# KiCad board OpenEFI_rev4.kicad_pcb (continued)
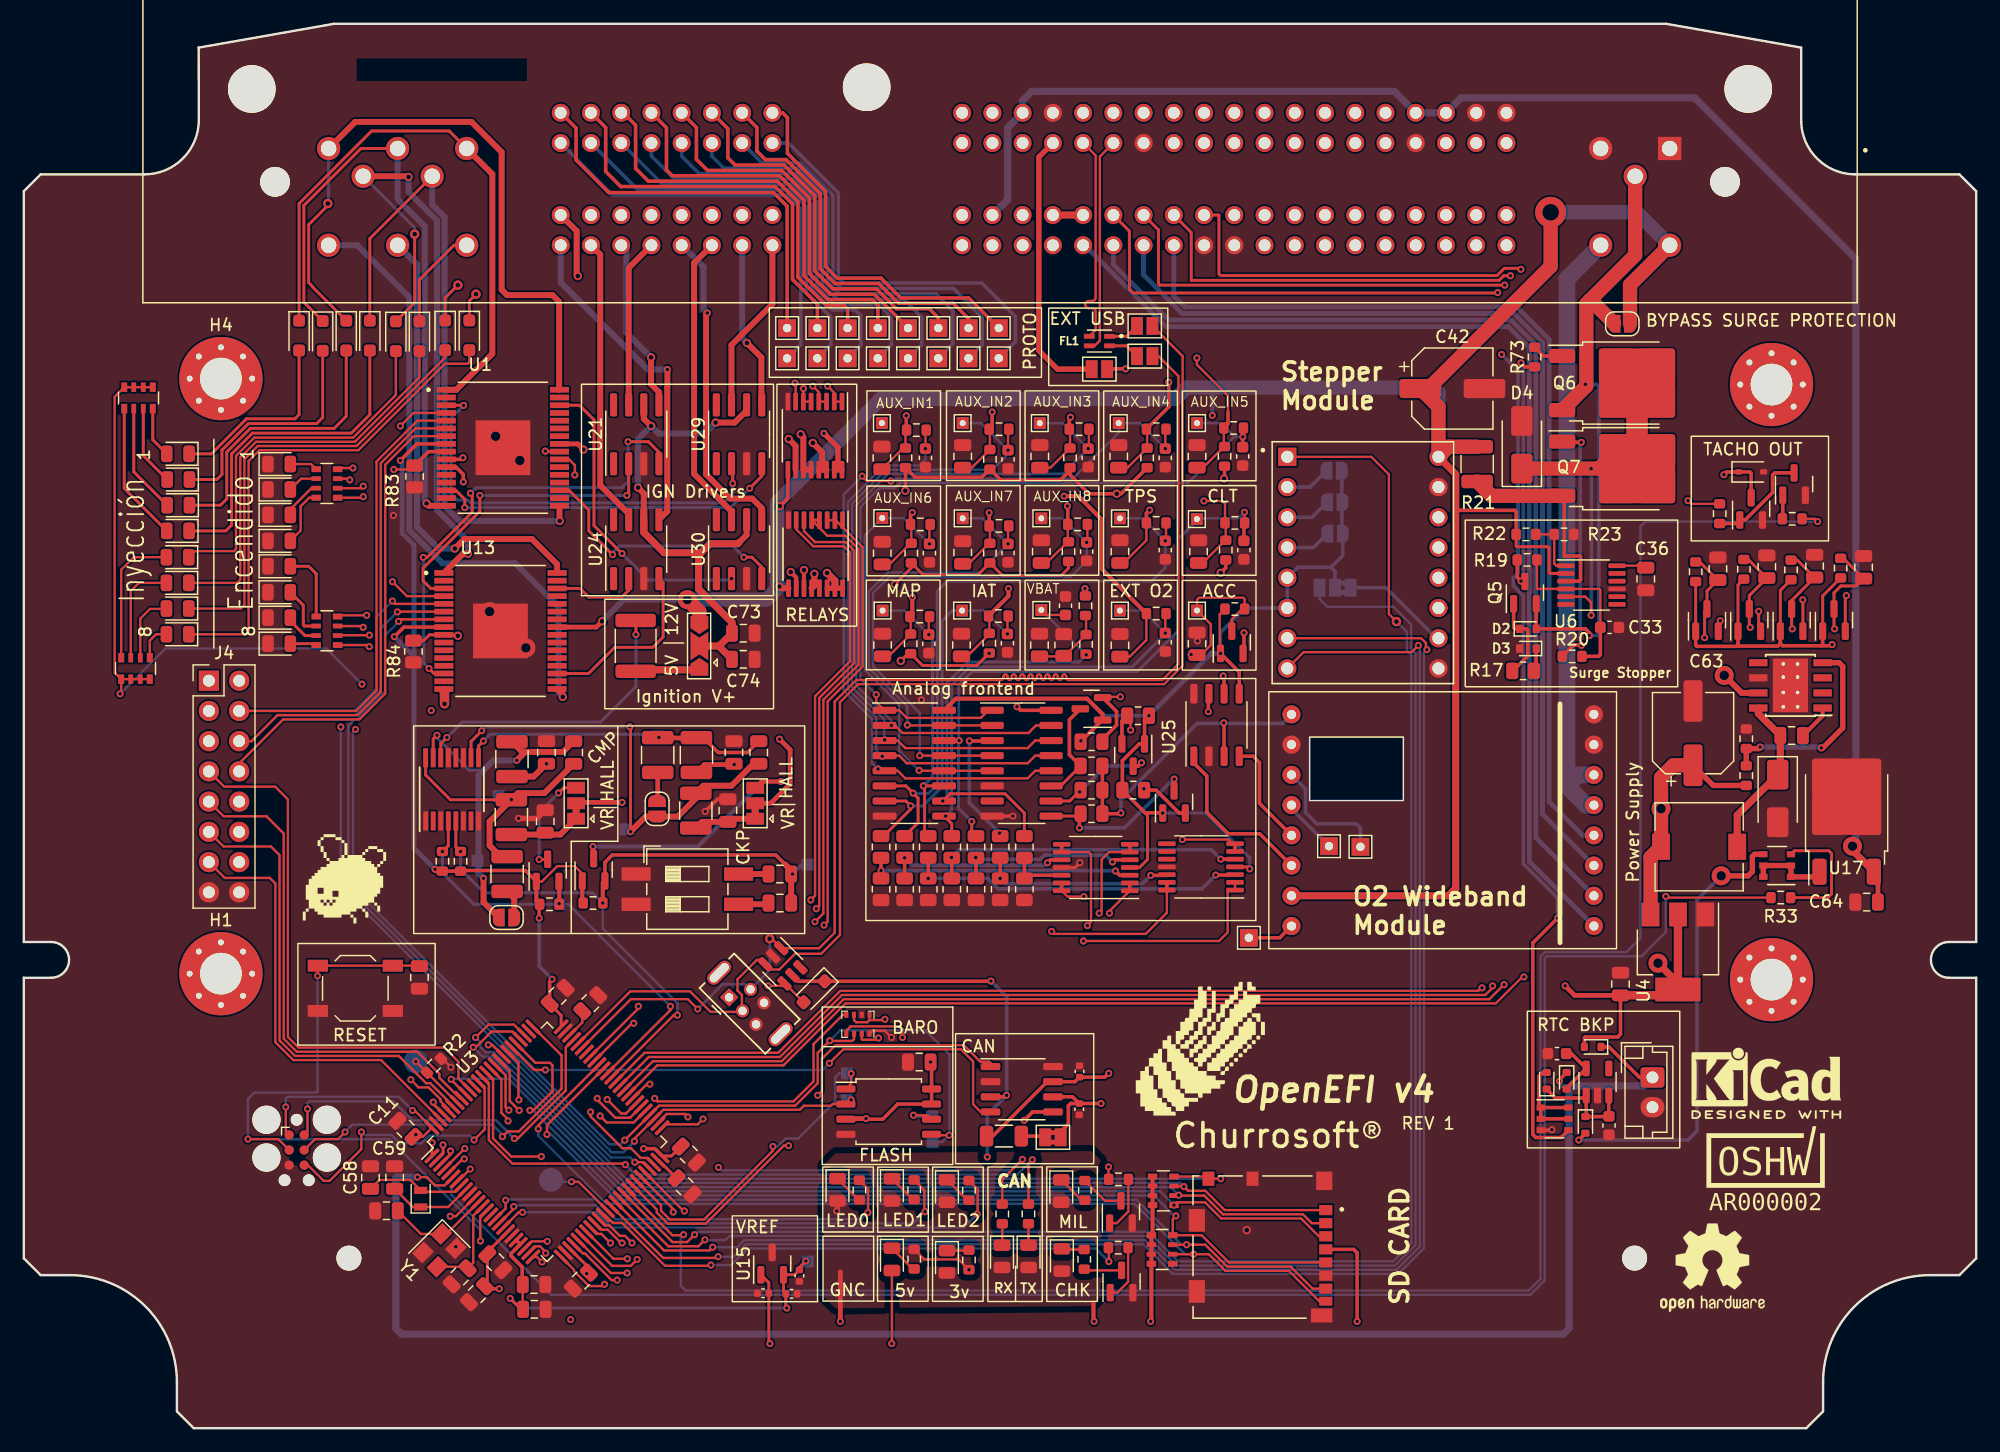
[diagram p0: board, top side]
## Routing (per net, layer and track width the routed paths; a pad name or vN(x,y) marks a point on that pad's centre or on a via; arc(x,y) is an arc through that point) (continued)
  In1.Cu w0.2: v1(66.1,44.38) 66.68,44.38 67.13,43.94 82.57,43.94 86.56,39.95 86.56,22.22 86.95,21.82 90.99,21.82 v1(91.12,21.95)
  In1.Cu w0.25: v1(51.23,34.03) 50.91,34.35 50.91,37.75 57.54,44.38 v1(66.1,44.38)
/MTR_DIR: length 133.8
  Top w0.2: v1(117.14,65.77) 116.58,65.21 107.5,65.21 U23.8 ; U3.39 53.78,14.94 57.6,14.94 v1(57.87,15.21)
  Bottom w0.2: v1(117.14,65.77) 117.26,65.64 117.26,15.26 115.31,13.31 96.68,13.31 94.19,15.8 60.51,15.8 59.92,15.21 v1(57.87,15.21)
/MTR_ENABLE: length 144.3
  Top w0.2: U3.41 54.49,15.64 55.72,15.64 56.34,16.26 v1(56.35,16.26) ; v4(115.3,67.77) 114.66,68.41 114.66,80.14 113.19,81.62 U23.1
  Bottom w0.2: v4(115.3,67.77) 116.18,66.89 116.18,65.31 116.56,64.94 116.56,15.56 115.02,14.02 96.97,14.02 94.48,16.51 56.59,16.51 v1(56.35,16.26)
/MTR_FAULT: length 132.4
  Top w0.2: v1(57.21,15.83) 56.67,15.29 54.14,15.29 U3.40
  Bottom w0.2: JP5.3 108.84,69.67 109.49,69.02 115.05,69.02 116.54,67.53 116.54,65.47 116.91,65.1 116.91,15.41 115.16,13.67 96.82,13.67 94.34,16.15 59.28,16.15 58.93,15.81 57.23,15.81 v1(57.21,15.83)
/MTR_STEP: length 135.3
  Top w0.2: U23.7 117.37,66.38 117.78,65.97 117.78,65.41 v1(117.86,65.41) ; U3.38 53.7,14.31 58.23,14.31 v1(58.33,14.41)
  Bottom w0.2: v1(117.86,65.41) 117.61,65.16 117.61,15.12 115.45,12.96 96.53,12.96 94.04,15.45 60.66,15.45 59.62,14.41 v1(58.33,14.41)
/MUX_A: length 98.4
  Top w0.2: Q16.2 90.68,61.45 v1(92.11,61.45) ; v1(41.61,26.7) 40.82,27.49 40.82,30.02 U3.84
  Top w0.3: Q16.2 91.79,60.23 91.79,59.07 90.6,57.88 R49.1
  In2.Cu w0.2: v1(41.61,26.7) 41.61,25.7 43.3,24 47.98,24 49.36,25.38 68.01,25.38 68.32,25.69 68.32,59.09 69.2,59.98 90.64,59.98 v1(92.11,61.45)
/MUX_B: length 96.9
  Top w0.2: U3.85 40.47,29.66 40.47,26.99 v1(40.74,26.72) ; v1(92.97,58.65) 92.97,59.57 R51.1
  Top w0.3: R51.1 92.24,59.42 Q14.2
  In2.Cu w0.2: v1(40.74,26.72) 41.01,26.45 41.27,26.19 41.27,25.62 43.18,23.71 48.1,23.71 49.48,25.09 68.12,25.09 68.61,25.57 68.61,58.98 69.32,59.69 91.94,59.69 v1(92.97,58.65)
/MUX_C: length 93.6
  Top w0.2: U3.86 40.12,29.31 40.12,26.5 40.67,25.94 v1(40.67,25.81)
  Top w0.3: Q15.2 97.05,51.68 95.12,53.61 R53.1
  In2.Cu w0.2: v1(94.09,53.73) 93.25,54.57 69.58,54.57 68.9,53.88 68.9,25.45 68.24,24.8 49.65,24.8 48.27,23.42 43.06,23.42 v1(40.67,25.81)
/MUX_OUT: length 83.1
  Top w0.2: U3.32 49.53,14.24 v1(50.7,14.24) ; v1(86.34,41.74) 86.55,41.53 94.24,41.53 96.02,43.31 U10.14
  Top w0.3: U10.13 U10.14
  In2.Cu w0.2: v1(86.34,41.74) 86.19,41.59 86.19,12.58 86.04,12.43 52.23,12.43 50.7,13.96 v1(50.7,14.24)
/NRST: length 58.8
  Top w0.2: v1(38.35,15.73) 38.34,15.74 38.34,17.74 U3.14 ; v1(18.83,24.29) 21.37,24.29 J2.3 ; v1(24.67,38) 24.7,38.03 SW1.1 SW1.1 33.2,38.86 C9.2
  Bottom w0.2: v1(38.35,15.73) 38.35,16.66 30.73,24.29 v1(18.83,24.29) 18.83,27.67 19.36,28.2 24.57,28.2 24.67,28.3 v1(24.67,38)
/PA0: length 88.6
  Top w0.2: v1(89.33,42.23) 89.65,42.54 89.65,48.21 89.45,48.41 U9.9 ; U3.23 42.67,15.7 v1(43.98,15.7)
  Top w0.3: U9.8 U9.9
  In2.Cu w0.2: v1(89.33,42.23) 88.89,42.23 87.34,40.68 87.34,12.08 86.54,11.27 47.75,11.27 44.44,14.58 44.44,15.24 v1(43.98,15.7)
/PA1: length 84.2
  Top w0.2: U3.24 42.95,15.28 43.36,15.28 43.84,14.8 v1(43.84,14.71) ; v1(91.2,43.27) 91.2,43.45 U9.1
  Top w0.3: U9.2 U9.1
  In2.Cu w0.2: v1(91.2,43.27) 91.2,43.24 89.58,41.63 88.7,41.63 87.63,40.56 87.63,11.96 86.66,10.98 47.63,10.98 43.9,14.71 v1(43.84,14.71)
/PA2: length 94.3
  Top w0.2: U3.25 43.11,14.39 v1(43.53,13.96) ; v1(89.01,40.94) 100.4,40.94 101.13,41.66 101.13,45.21 U10.1 U10.2
  In2.Cu w0.2: v1(43.53,13.96) 44.24,13.96 47.51,10.7 86.78,10.7 87.92,11.84 87.92,40.44 88.42,40.94 v1(89.01,40.94)
/PA3: length 84.3
  Top w0.2: U3.26 46.21,13.31 46.21,13.2 47.47,11.94 48.62,11.94 v1(48.78,12.1) ; v1(90.33,43.27) 90.53,43.48 90.53,47.78 91.16,48.41 U9.6
  Top w0.3: U9.7 U9.6
  In2.Cu w0.2: v1(90.33,43.27) 89.53,43.27 87.06,40.8 87.06,12.2 86.42,11.56 49.31,11.56 v1(48.78,12.1)
/PA4: length 93.6
  Top w0.2: v1(49.84,12.44) 49.37,12.44 47.13,14.69 46.96,14.69 U3.29 ; v1(97.32,49.46) 101.18,49.46 101.74,48.9
  Top w0.25: 101.74,48.9 U10.6
  Top w0.3: U10.6 U10.7
  In2.Cu w0.2: v1(97.32,49.46) 97.32,44.4 96.78,43.87 89.72,43.87 86.77,40.92 86.77,12.32 86.3,11.85 50.43,11.85 v1(49.84,12.44)
/PA5: length 77.7
  Top w0.2: U3.30 49.32,13.04 v1(50.68,13.04) ; v1(89.05,44.66) 87.68,44.66 U9.14
  Top w0.3: U9.14 U9.13
  In2.Cu w0.2: v1(89.05,44.66) 89.05,43.6 86.48,41.04 86.48,12.44 86.18,12.14 51.37,12.14 50.68,12.83 v1(50.68,13.04)
/PMIC1_CS: length 76
  Top w0.2: U1.4 32.72,85.3 v1(31.63,84.21) ; v1(47.61,26.57) 47.61,26.2 50.28,23.53 51,23.53 51.81,22.71 52.37,22.71 U3.48
  In1.Cu w0.2: v1(31.63,84.21) 32.23,83.61 32.23,81.06 32.12,80.96 32.12,45.92 44.46,33.58 44.46,31.04 47.28,28.22 47.28,26.9 v1(47.61,26.57)
/PMIC1_ENABLE: length 79.7
  Top w0.2: v1(31.08,80.55) 32.5,80.55 R83.2 ; U3.51 53.91,25.53 56.61,25.53 v1(57.06,25.98)
  Top w0.3: U1.9 34,82.05 R83.2
  In1.Cu w0.2: 34.22,60.31 34.22,60.31 v1(34.22,60.31) 34.22,60.31 ; 34.22,60.31 33.86,59.94 33.86,46.64 46.24,34.25 46.24,31.71 48.09,29.86 53.16,29.86 57.04,25.98 v1(57.06,25.98)
  In2.Cu w0.2: v1(34.22,60.31) 34.63,60.72 34.63,66.58 34.63,66.58 34.65,66.6 34.65,80.25 34.35,80.55 v1(31.08,80.55)
/PMIC2_CS: length 52.3
  Top w0.2: U13.4 32.19,69.91 v1(30.97,71.13) ; v1(32.51,29.28) 33.15,28.64 34,28.64 35.01,27.62 35.01,27.46 35.7,26.78 U3.96
  In1.Cu w0.2: v1(30.97,71.13) 30.34,70.49 30.34,66.35 31.84,64.85 31.84,29.95 v1(32.51,29.28)
/PMIC2_ENABLE: length 60.8
  Top w0.2: v1(55.79,26.15) 55.54,26.4 53.99,26.4 53.27,25.68 U3.52 ; v3(36.46,66.58) 36.15,66.58 36.07,66.66 U13.9
  Top w0.25: R84.2 33.59,66.17 34.08,66.66 U13.9
  In1.Cu w0.2: v3(36.46,66.58) 36.46,64.96 33.57,62.06 33.57,46.52 45.9,34.18 45.9,31.64 47.97,29.57 52.99,29.57 55.79,26.78 v1(55.79,26.15)
/PMIC/GD0: length 36.2
  Top w0.25: v1(59.55,79.38) 59.55,80.93 U29.2 ; U1.3 36.92,85.95 v1(36.94,85.93)
  Bottom w0.25: v1(59.55,79.38) 59.55,78.52 58.78,77.75 37.52,77.75 37.3,77.97 36.42,77.97 35.88,78.52 35.88,84.87 v1(36.94,85.93)
/PMIC/GD1: length 29.6
  Top w0.25: v1(60.97,78.97) 61.99,79.99 U29.4 ; U1.14 36.29,78.8 37.04,78.05 v1(37.04,77.35)
  Bottom w0.25: v1(60.97,78.97) 59.34,77.35 v1(37.04,77.35)
/PMIC/GD2: length 25.8
  Top w0.25: U1.30 46.68,85.95 47.89,84.73 47.89,75.84 v1(50.25,73.49)
  Bottom w0.25: v1(59.45,71.38) 59.32,71.25 52.49,71.25 v1(50.25,73.49)
/PMIC/GD3: length 22.3
  Top w0.25: v1(60.49,73.18) 61.16,73.18 61.99,72.36 U30.4 ; v1(49.45,73.4) 47.46,75.4 47.46,77.14 45.8,78.8 U1.19
  Bottom w0.25: v1(49.45,73.4) 49.45,73.57 49.99,74.11 59.56,74.11 v1(60.49,73.18)
/R_AAC: length 81.1
  Top w0.2: U22.1 U22.2 68.08,87 v1(67.52,87.56)
  Top w0.25: v1(35.84,23.3) 35.84,23.02 U3.3
  In2.Cu w0.25: v1(67.52,87.56) 62.64,82.67 62.64,50.72 54.47,42.55 54.46,42.55 35.84,23.94 v1(35.84,23.3)
/R_ECN_INY: length 79.5
  Top w0.2: U22.5 U22.6 65.48,87.35 v1(65.49,87.36)
  Top w0.25: v1(34.3,23.98) 34.28,23.97 U3.1
  In2.Cu w0.25: v1(65.49,87.36) 65.49,86.49 61.96,82.96 61.96,51 54.19,43.23 54.17,43.23 35.37,24.43 34.75,24.43 v1(34.3,23.98)
/R_GNC_GLP: length 80.3
  Top w0.2: v1(66.28,87.56) 66.78,87.06 U22.4 U22.3
  Top w0.25: U3.2 35.22,23.1 35.22,23.8 v1(35.21,23.81)
  In2.Cu w0.25: v1(66.28,87.56) 66.28,86.79 62.3,82.81 62.3,50.86 54.33,42.89 54.31,42.89 35.23,23.81 v1(35.21,23.81)
/R_LMB: length 79.7
  Top w0.2: v1(64.78,87.81) 64.83,87.76 U22.7
  Top w0.25: U3.97 34.39,27.26 v1(34.39,27.4)
  In2.Cu w0.25: v1(64.78,87.81) 64.78,86.25 61.62,83.1 61.62,51.14 58.59,48.11 58.57,48.11 36.1,25.63 35.92,25.63 34.39,27.17 v1(34.39,27.4)
/RPM_OUT: length 170.7
  Top w0.2: v1(55.42,16.26) 55.37,16.21 54.49,16.21 50.79,19.91 U3.42 ; v1(150.68,76.18) 150.45,76.41 R34.1
  Bottom w0.2: v1(55.42,16.26) 55.19,16.03 55.19,11.96 55.59,11.56 126.41,11.56 127.4,12.56 127.4,39.63 127.78,40.01 134.63,40.01 135.8,41.18 135.8,75.77 136.2,76.18 v1(150.68,76.18)
/SD_CD: length 71.9
  Top w0.2: v1(39.01,32.2) 39.34,32.2 U3.83 ; v1(100.54,20.96) 100.54,20.96 J3.10 99.33,21.14 RN5.4
  Bottom w0.2: v1(39.01,32.2) 39.36,32.2 50.61,20.96 v1(100.54,20.96)
/SD_CLK: length 82
  Top w0.2: v1(42.51,26.71) 42.82,26.71 44.41,28.3 44.41,30.49 44.19,30.7 42.97,30.7 U3.80 ; v1(96.78,17.84) 96.51,17.57 RN6.4 98.94,16.22 101.23,13.93 J3.5
  Bottom w0.2: v1(42.51,26.71) 42.77,26.71 49.93,19.55 94.91,19.55 96.63,17.84 v1(96.78,17.84)
/SD_CMD: length 80.9
  Top w0.2: U3.92 35.9,29.28 v1(35.9,29.32) ; v1(96.62,18.74) 96.85,18.98 99.22,18.98 100.58,17.62 107.29,17.62 108.78,16.13 J3.3
  Bottom w0.2: v1(96.62,18.74) 95.46,19.9 50.17,19.9 40.71,29.37 35.95,29.37 v1(35.9,29.32)
/SD_DAT0: length 79.4
  Top w0.2: J3.7 108.26,11.73 106.41,13.57 101.08,13.57 99.24,15.42 v1(97.67,15.42) RN6.3 ; U3.65 43.95,25.47 v1(43.95,24.69)
  Bottom w0.2: v1(43.95,24.69) 44.3,24.69 49.79,19.2 93.45,19.2 97.24,15.42 v1(97.67,15.42)
/SD_DAT1: length 81.7
  Top w0.2: v1(43.21,25.15) 43.21,25.44 U3.66 ; J3.8 108.81,10.68 106.27,13.22 100.94,13.22 99.54,14.62 v1(98.26,14.62) RN6.2
  Bottom w0.2: v1(43.21,25.15) 43.21,24.57 48.94,18.85 93.31,18.85 97.54,14.62 v1(98.26,14.62)
/SD_DAT2: length 83.4
  Top w0.2: J3.1 100.87,18.33 99.25,19.94 97.8,19.94 v1(97.44,20.3) 97.4,20.34 RN5.3 ; U3.78 41.17,33.91 39.03,33.91 v1(37.95,32.83)
  Bottom w0.2: v1(37.95,32.83) 38.35,32.43 38.35,32.01 38.79,31.58 39.49,31.58 50.46,20.61 97.14,20.61 v1(97.44,20.3)
/SD_DAT3: length 83.3
  Top w0.2: U3.79 41.04,33.33 39.29,33.33 37.97,32.01 v1(37.75,32.01) ; v1(97.01,19.58) 96.98,19.54 RN5.2 99.15,19.54 100.73,17.97 107.44,17.97 108.19,17.23 J3.2
  Bottom w0.2: v1(97.01,19.58) 96.33,20.26 50.31,20.26 39.35,31.23 38.54,31.23 v1(37.75,32.01)
/Sensores/A: length 8.7
  Top w0.25: U2.11 87.1,53.97 R18.2
  Top w0.3: Q16.3 87.83,59.53 87.83,56.59 R18.2
/Sensores/AUX_CH1_m: length 52.3
  Top w0.2: v1(75.74,82.3) 75.74,83.8 R38.1 ; U2.13 84.96,56.51 84.33,55.87 74.17,55.87 73.53,56.51 U26.4 72.16,56.51 v1(72.11,56.46)
  In1.Cu w0.3: v1(75.74,82.3) 73.59,84.45 TP10.1
  Bottom w0.2: v1(72.11,56.46) 71.6,56.97 71.6,59.73 69.22,62.11 69.22,77.82 72.29,80.89 75.23,80.89 75.74,81.4 v1(75.74,82.3)
/Sensores/AUX_CH2_m: length 57.2
  Top w0.2: U2.14 84.96,57.78 84.33,57.14 74.04,57.14 73.4,57.78 U26.3 72.31,57.79 v1(72.31,57.83) ; v1(82.68,82.18) 82.68,83.88 R11.1
  Bottom w0.2: v1(72.31,57.83) 72.27,57.87 72.27,59.56 69.57,62.25 69.57,77.68 72.43,80.54 81.35,80.54 82.68,81.86 v1(82.68,82.18) 80.4,84.45 TP11.1
/Sensores/AUX_CH3_m: length 62.3
  Top w0.2: U26.2 73.17,59.05 73.81,58.41 84.39,58.41 85.02,59.05 U2.15 ; R14.1 89.47,82.37 v1(89.41,82.3)
  Bottom w0.2: TP12.1 87.26,84.45 v1(89.41,82.3) 87.29,80.18 72.58,80.18 69.93,77.53 69.93,62.4 72.87,59.46 v1(72.87,59.05)
/Sensores/AUX_CH4_m: length 72.2
  Top w0.2: v1(95.88,82.3) 95.88,83.88 R37.1 ; v1(71.75,55.39) 71.91,55.24 U26.5 73.4,55.24 74.04,54.6 84.33,54.6 84.96,55.24 U2.12 ; v1(72.83,79.58) 70.82,79.58 v1(70.42,79.99)
  Bottom w0.2: v1(72.83,79.58) 73.04,79.58 73.22,79.77 88.11,79.77 91.97,83.64 TP13.1 93.74,84.45 v1(95.88,82.3) ; v1(71.75,55.39) 71.25,55.9 71.25,59.58 68.87,61.96 68.87,78.44 v1(70.42,79.99)
/Sensores/AUX_CH5_m: length 68
  Top w0.2: v1(71.6,61.64) 71.6,61.02 U26.1 73.53,60.32 74.17,59.68 80.39,59.68 81.02,60.32 U2.1
  Top w0.3: R8.1 102.39,83.98 C35.1
  Bottom w0.2: TP16.1 100.58,84.45 101.74,83.29 v1(102.4,83.29) 101.66,83.29 97.79,79.42 73.58,79.42 73.15,78.98 71.88,78.98 70.28,77.39 70.28,62.96 v1(71.6,61.64)
/Sensores/AUX_CH6_m: length 36.4
  Top w0.2: R60.1 76.07,75.88 v1(76.07,74.3) ; v1(75.21,55.27) 75.24,55.24 U26.12 U2.5
  Bottom w0.2: v1(76.07,74.3) 73.9,76.47 TP17.1 70.63,74.99 70.63,63.73 73.53,60.83 73.53,56.91 75.17,55.27 v1(75.21,55.27)
/Sensores/AUX_CH7_m: length 39.3
  Top w0.2: U2.2 U26.15 74.25,59.05 v1(74.22,59.08) ; R42.1 82.68,75.75 v1(82.68,74.3)
  Bottom w0.2: v1(74.22,59.08) 74.22,60.64 71.69,63.17 70.98,63.87 70.98,70.31 72.57,71.9 80.27,71.9 v1(82.68,74.3) 80.53,76.45 TP18.1
/Sensores/AUX_CH8_m: length 48.2
  Top w0.2: v1(75.26,56.51) U26.13 U2.4 ; v1(89.28,74.43) 89.34,74.49 R40.1
  Bottom w0.2: v1(75.26,56.51) 75.26,60.09 71.33,64.02 71.33,70.16 72.72,71.55 87.96,71.55 89.28,72.87 v1(89.28,74.43) 87.26,76.45 TP21.1
/Sensores/B: length 9.9
  Top w0.25: R50.2 87.86,52.7 U2.10
  Top w0.3: v1(93.89,55.91) 93.6,55.62 Q14.3
  Bottom w0.3: v1(88.7,53.46) 90.88,55.64 93.62,55.64 v1(93.89,55.91)
/Sensores/Boot0: length 4
  Top w0.3: U19.8 105.5,41.2 TP35.1
/Sensores/C: length 14.4
  Top w0.25: U2.9 88.57,51.43 R52.2
  Top w0.3: v1(88.67,50.44) 88.67,51.53 R52.2 ; Q15.3 96.63,53.57 v1(96.63,54.54)
  Bottom w0.3: v1(88.67,50.44) 92.45,50.44 96.56,54.54 v1(96.63,54.54)
/Sensores/CAN_RX: length 9.2
  Top w0.3: U25.4 103.27,56.46 103.79,55.94 103.79,52.51 U19.5
/Sensores/CAN_TX: length 14.1
  Top w0.3: U19.6 103.82,49.94 101.18,49.94 99.37,51.75 99.37,54.79 98.33,55.83 98.33,56.41 U25.1
/Sensores/CH_CLT_m: length 51.6
  Top w0.2: v1(102.53,76.97) 102.53,76.08 R45.1
  Top w0.25: v1(79.63,50.97) 79.63,50.11 R10.2 ; U26.14 v1(78.57,57.78)
  Top w0.3: R45.1 102.49,76 C69.1
  Bottom w0.2: v1(102.53,76.97) 102.01,76.45 98.6,76.45 TP15.1
  Bottom w0.25: TP15.1 98.54,76.27 96.94,74.67 96.94,66.98 93.53,63.57 79.65,63.57 78.54,62.46 78.54,57.81 v1(78.57,57.78) 78.51,57.72 78.51,52.09 v1(79.63,50.97)
/Sensores/CH_IAT_m: length 31.5
  Top w0.2: v1(82.62,66.73) 82.62,68.18 R75.1
  Top w0.25: R47.2 72.23,49.75 74.5,52.02 v1(74.5,52.29) 74.09,52.7 U26.7
  Bottom w0.2: v1(82.62,66.73) 80.66,68.7 TP14.1
  Bottom w0.25: TP14.1 78,68.7 77.13,67.83 77.13,53.97 77.14,53.97 77.14,53.91 75.52,52.29 v1(74.5,52.29)
/Sensores/CH_MAP_m: length 25.5
  Top w0.2: v1(76.02,66.68) 76.02,68.13 R77.1
  Top w0.25: R55.2 75.66,50.05 75.66,53.87 v1(75.56,53.97) U26.11
  Bottom w0.2: TP23.1 74,68.7 v1(76.02,66.68)
  Bottom w0.25: v1(75.56,53.97) 76.33,54.73 76.33,66.37 v1(76.02,66.68)
/Sensores/CH_O2_m: length 39.4
  Top w0.2: v1(95.88,66.81) 95.88,68.38 R78.1
  Top w0.25: R67.2 77.95,50.78 U26.9 v1(77.44,51.43)
  Bottom w0.2: v1(95.88,66.81) 93.99,68.7 TP25.1
  Bottom w0.25: v1(95.88,66.81) 95.88,66.74 93.11,63.97 79.48,63.97 77.94,62.43 77.94,51.93 v1(77.44,51.43)
/Sensores/CH_TPS_m: length 53.9
  Top w0.2: R76.1 95.95,74.62 v1(95.88,74.56)
  Top w0.25: U26.6 74.09,53.97 v1(74.7,53.36) 75.12,52.94 75.12,50.88 R13.2
  Bottom w0.2: TP19.1 93.99,76.45 v1(95.88,74.56)
  Bottom w0.25: v1(95.88,74.56) 95.88,72.31 94.74,71.17 77.57,71.17 76.73,70.33 76.73,54.07 76.01,53.34 74.72,53.34 v1(74.7,53.36)
/Sensores/CH_VBATT_m: length 40.2
  Top w0.2: v1(89.24,64.98) 89.23,64.99 R56.1 ; TP20.1 85.89,68.33 C29.1
  Top w0.25: R62.2 84.05,51.68 82.42,53.31 77.8,53.31 v1(77.19,52.7) U26.10
  Bottom w0.2: v1(89.24,64.98) TP20.1
  Bottom w0.25: v1(89.24,64.98) 88.64,64.37 79.31,64.37 77.54,62.6 77.54,53.05 v1(77.19,52.7)
/Sensores/mux_out: length 11
  Top w0.3: v1(81.96,50.01) 82.01,49.96 R57.2 ; U2.3 81.31,57.74 v1(79.42,57.74)
  Bottom w0.3: v1(79.42,57.74) 79.42,52.55 v1(81.96,50.01)
/SPI2_MISO: length 160.1
  Top w0.2: v1(51.29,24.11) 51.29,24.33 U3.53 53.71,26.75 65.19,26.75 65.53,27.09 67.8,27.09 67.94,27.23 U7.2 69.41,27.59 v1(69.5,27.59) ; U13.7 31.65,67.96 v1(31.49,67.79) ; v1(52.99,27.71) 53.25,27.46 64.66,27.46 66.34,29.14 66.34,32.27 68.81,34.74 U8.5 ; U1.7 32.76,83.35 30.36,80.96 30.36,61.72 28.2,59.56 21.79,59.56 18.09,55.86 J4.8
  In1.Cu w0.2: v1(51.29,24.11) 51.29,24.17 52.99,25.87 v1(52.99,27.71)
  Bottom w0.2: 27.98,59.52 21.75,59.52 18.09,55.86 J4.8 ; 27.98,59.52 27.75,59.52 27.26,59.04 27.26,45.3 49.39,23.17 50.35,23.17 v1(51.29,24.11) ; 27.98,59.52 30.33,61.87 30.33,66.6 31.49,67.75 v1(31.49,67.79) ; v1(69.5,27.59) TP30.1
/SPI2_MOSI: length 165.7
  Top w0.2: J4.6 19.12,57.72 21.31,59.91 28.05,59.91 29.98,61.84 29.98,81.08 32.9,84 U1.6 ; v1(50.48,24.2) 52.56,26.28 U3.54 53.36,27.1 64.8,27.1 66.69,28.99 66.69,31.54 v1(67.7,32.56) 67.72,32.54 69.59,32.54 69.74,32.69 U8.3 ; U13.6 31.4,68.61 v1(31.38,68.59) ; U7.5 76.33,24.62 v1(77.73,24.62)
  In1.Cu w0.2: v1(27.86,58.71) 27.47,58.32 19.46,58.32 18.87,57.72 J4.6
  Bottom w0.2: v1(27.86,58.71) 27.64,58.49 27.64,45.42 49.2,23.86 50.13,23.86 v1(50.48,24.2) ; v1(67.7,32.56) 68.58,33.43 75.73,33.43 77.76,31.4 77.76,24.64 v1(77.73,24.62) 77.15,24.03 TP29.1 ; J4.6 19.13,57.72 21.32,59.91 27.88,59.91 29.98,62.02 29.98,67.19 v1(31.38,68.59)
/SPI2_SCK: length 163.3
  Top w0.2: U13.5 31.2,69.26 v1(30.96,69.5) ; U1.5 33.05,84.65 29.63,81.23 29.63,61.99 27.91,60.26 J4.4 ; U8.4 69.09,33.4 69.45,33.76 73.57,33.76 73.81,33.52 v1(73.81,32.83) ; U7.6 75.92,26.29 v1(74.74,26.29) ; v1(51.33,22.35) 51.61,22.35 51.61,22.35 52.02,22.35 U3.47
  In1.Cu w0.2: v1(26.63,58.92) 26.59,58.88 19.47,58.88 J4.4
  In2.Cu w0.2: v1(51.33,22.35) 51.78,22.35 53.77,24.34 72.78,24.34 v1(74.74,26.29) 74.74,32.62 74.52,32.83 v1(73.81,32.83)
  Bottom w0.2: TP28.1 74.86,26.17 v1(74.74,26.29) ; v1(51.33,22.35) 50.93,22.74 49.32,22.74 26.63,45.44 v1(26.63,58.92) ; J4.4 27.73,60.26 29.63,62.16 29.63,68.16 v1(30.96,69.5)
/SYS_SWCLK: length 30.8
  Top w0.2: v1(40.2,24.5) 40.64,24.94 41.59,24.94 45.17,28.52 45.17,31.32 U3.76 ; J2.4 24.47,24.29 26.4,24.29 26.91,24.8
  Bottom w0.2: v1(26.98,24.89) 27.61,25.51 39.35,25.51 40.2,24.66 v1(40.2,24.5)
/SYS_SWDIO: length 32.1
  Top w0.2: U3.72 45.52,32 45.52,28.38 41.49,24.34 v1(41.21,24.34) ; v1(23.83,26.83) 23.83,24.92 J2.2
  Bottom w0.2: v1(41.21,24.34) 39.68,25.86 32.64,25.86 31.05,27.46 23.95,27.46 23.83,27.33 v1(23.83,26.83)
/SYS_SWO: length 23.7
  Top w0.2: v1(28.36,24.89) 28.36,23.45 25.68,20.78 25.16,20.78 25.16,20.82 23.87,22.1 J2.6 ; v1(37.82,24.22) 38.71,25.11 38.71,28.59 U3.89
  Bottom w0.2: v1(28.36,24.89) 28.6,24.64 30.87,24.64 31.58,23.93 33.38,23.93 34.04,24.58 37.46,24.58 v1(37.82,24.22)
/TIM9_CH1: length 77.8
  Top w0.2: U3.4 37.03,23.5 v1(37.04,23.5) ; v1(67.22,42.27) 67.52,42.58 67.52,61.07 70.47,64.01 70.47,74.01 68.18,76.3 U20.3
  In2.Cu w0.2: v1(67.22,42.27) 66.9,41.95 54.71,41.95 37.04,24.29 v1(37.04,23.5)
/TIM9_CH2: length 79.6
  Top w0.2: U20.5 67.49,74.99 69,74.99 70.11,73.87 70.11,64.16 67.17,61.21 67.17,43.26 v1(66.46,42.55) ; v1(37,22.63) 36.86,22.63 U3.5
  Top w0.25: U20.4 U20.5
  In2.Cu w0.2: v1(66.46,42.55) 66.14,42.24 54.59,42.24 36.44,24.1 36.44,23.19 v1(37,22.63)
ACC: length 57.5
  Top w0.3: v1(102.5,66.83) 102.5,65.17 Q19.2
  In1.Cu w0.3: J6.61 122,107.11 120.54,105.66 113.25,105.66 112.95,105.35 112.95,98.03 112.49,97.57 108.65,97.57 103.18,92.1 103.18,67.52 v1(102.5,66.83)
AUX_CH1: length 51.3
  Top w0.2: C32.1 73.85,82.35 R36.1 74.06,83.77 R38.2
  Top w0.3: R38.2 74.13,83.89 v1(74.13,85.07)
  In1.Cu w0.2: J6.70 97.66,109.47 97.66,91.2 92.87,86.42 75.47,86.42 v1(74.13,85.07)
AUX_CH2: length 45.1
  Top w0.2: R11.2 81.15,83.88 R6.1 79.63,80.7 C18.1
  Top w0.3: v1(81.34,85.38) 81.34,84.19 R11.2
  In1.Cu w0.2: J6.71 98.09,109.47 98.09,91.22 92.95,86.09 82.05,86.09 v1(81.34,85.38)
AUX_CH3: length 39.9
  Top w0.2: R14.2 87.88,83.88 R9.1 86.23,80.7 C21.1
  Top w0.3: R14.2 87.82,84.84 v1(87.92,84.94)
  In1.Cu w0.2: J6.72 101.28,110.52 100.2,109.44 100.2,92.92 93.05,85.78 88.76,85.78 v1(87.92,84.94)
AUX_CH4: length 36.4
  Top w0.2: C24.1 92.71,80.7 R12.1 94.36,83.88 R37.2
  Top w0.3: v1(96.17,87.89) 96.17,85.82 R37.2
  In1.Cu w0.2: v1(96.17,87.89) 96.17,88.49 100.48,92.8 100.48,108.61 101.25,109.38 103.08,109.38 J6.73
AUX_CH5: length 37
  Top w0.2: v1(98.54,89.92) 98.54,89.36 101.15,86.75 101.15,85.38 ; R8.2 100.8,82.46 99.05,80.7 C34.1
  Top w0.3: 101.15,85.38 101.15,84.4 R8.2
  In1.Cu w0.2: J6.74 107.85,109.44 107.85,98.47 99.3,89.92 v1(98.54,89.92)
AUX_CH6: length 60.9
  Top w0.2: R60.2 74.55,75.88 R41.1 74.48,74.35 72.71,72.58 C37.1
  Top w0.3: v1(74.63,76.94) 74.48,76.79 R60.2
  In1.Cu w0.2: J6.75 108.14,109.36 108.14,98.35 91.32,81.54 79.23,81.54 v1(74.63,76.94)
AUX_CH7: length 58.6
  Top w0.2: C39.1 79.36,72.63 81.09,74.35 R39.1 81.15,75.75 R42.2
  Top w0.3: R42.2 81.09,76.91 v1(81.09,76.92)
  In1.Cu w0.2: J6.76 110.36,109.04 110.36,98.82 109.74,98.2 108.39,98.2 91.35,81.16 81.37,81.16 81.09,80.88 v1(81.09,76.92)
AUX_CH8: length 52.2
  Top w0.2: R40.2 87.69,74.54 R15.1 87.69,74.48 85.92,72.7 C45.1
  Top w0.3: v1(87.66,77.48) 87.69,77.45 R40.2
  In1.Cu w0.2: v1(87.66,77.48) 88.08,77.48 108.51,97.91 109.86,97.91 110.64,98.7 110.64,108.56 111.41,109.33 113.19,109.33 J6.77
AUX_IN1: length 74.9
  Top w0.25: Q2.2 142.34,67.68 v1(142.5,67.85) ; v1(123.81,95.42) 123.77,95.38 93.18,95.38 92.87,95.69 92.87,100.58 J6.30
  In2.Cu w0.25: v1(142.5,67.85) 142.63,67.98 142.63,77.73 124.94,95.42 v1(123.81,95.42)
AUX_IN2: length 74.8
  Top w0.25: Q1.2 145.73,67.12 v1(145.73,68.64) ; v1(124.4,96.04) 95.41,96.04 95.31,96.14 95.31,100.69 J6.31
  In2.Cu w0.25: v1(124.4,96.04) 124.43,96.02 124.85,96.02 142.97,77.9 142.97,69.54 143.87,68.64 v1(145.73,68.64)
AUX_IN3: length 76.6
  Top w0.25: Q3.2 149.45,69.59 v1(149.44,69.6) ; J6.32 98.06,100.47 98.06,96.47 98.08,96.45 123.92,96.45 124.3,96.83 v1(124.88,96.83)
  In2.Cu w0.25: v1(124.88,96.83) 124.88,96.47 143.31,78.04 143.31,69.69 143.39,69.6 v1(149.44,69.6)
AUX_IN4: length 79
  Top w0.25: v1(125.76,97.37) 125.67,97.46 124.36,97.46 123.75,96.85 100.53,96.85 100.39,96.98 100.39,101.91 100.37,101.93 J6.33 ; Q4.2 153,69.87 v1(153.1,69.96)
  In2.Cu w0.25: v1(125.76,97.37) 125.76,96.07 143.65,78.18 143.65,70.31 143.73,70.23 152.83,70.23 v1(153.1,69.96)
CAN+: length 119.5
  Top w0.3: R1.2 81.39,24.54 85.96,29.11 88.3,29.11 C27.2 90.81,29.5 v1(91.13,29.83) ; v1(99.5,60.2) 99.5,61.66 U25.7
  In2.Cu w0.3: v1(91.13,29.83) 91.13,30.87 91.13,30.91 91.16,30.98 91.21,31.05 91.27,31.09 91.34,31.12 91.38,31.12 91.93,31.12 91.97,31.12 92.04,31.14 92.11,31.19 92.15,31.25 92.18,31.33 92.18,31.37 92.18,31.41 92.15,31.48 92.11,31.55 92.04,31.59 91.97,31.62 91.93,31.62 91.38,31.62 91.34,31.62 91.27,31.64 91.21,31.69 91.16,31.75 91.13,31.83 91.13,31.87 91.13,31.91 91.16,31.98 91.21,32.05 91.27,32.09 91.34,32.12 91.38,32.12 91.93,32.12 91.97,32.12 92.04,32.14 92.11,32.19 92.15,32.25 92.18,32.33 92.18,32.37 92.18,32.41 92.15,32.48 92.11,32.55 92.04,32.59 91.97,32.62 91.93,32.62 91.38,32.62 91.34,32.62 91.27,32.64 91.21,32.69 91.16,32.75 91.13,32.83 91.13,32.87 91.13,32.91 91.16,32.98 91.21,33.05 91.27,33.09 91.34,33.12 91.38,33.12 91.93,33.12 91.97,33.12 92.04,33.14 92.11,33.19 92.15,33.25 92.18,33.33 92.18,33.37 92.18,33.41 92.15,33.48 92.11,33.55 92.04,33.59 91.97,33.62 91.93,33.62 91.38,33.62 91.34,33.62 91.27,33.64 91.21,33.69 91.16,33.75 91.13,33.83 91.13,33.87 91.13,33.91 91.16,33.98 91.21,34.05 91.27,34.09 91.34,34.12 91.38,34.12 91.93,34.12 91.97,34.12 92.04,34.14 92.11,34.19 92.15,34.25 92.18,34.33 92.18,34.37 92.18,34.41 92.15,34.48 92.11,34.55 92.04,34.59 91.97,34.62 91.93,34.62 91.38,34.62 91.34,34.62 91.27,34.64 91.21,34.69 91.16,34.75 91.13,34.83 91.13,34.87 91.13,35.78 98.89,43.54 98.89,59.59 v1(99.5,60.2) 104.07,64.78 104.07,97.41 103.12,98.37 103.12,105.63 103.34,105.85 117.33,105.85 J6.60
CAN-: length 114.7
  Top w0.3: C28.1 88.66,27.29 v1(90.48,27.29) ; C28.1 88.09,27.84 U12.6 ; C28.1 87.94,27.28 87.74,27.08 87.74,25.56 87.1,24.91 JP7.1 ; U25.6 100.82,63.12 v1(100.75,63.2)
  In2.Cu w0.3: v1(90.48,27.29) 90.48,35.92 98.36,43.8 98.36,60.81 v1(100.75,63.2) 103.68,66.14 103.68,68.13 arc(103.6,68.34) 103.38,68.43 103.06,68.43 arc(102.85,68.52) 102.76,68.73 arc(102.85,68.94) 103.06,69.03 103.38,69.03 arc(103.6,69.12) 103.68,69.33 arc(103.6,69.54) 103.38,69.63 103.06,69.63 arc(102.85,69.72) 102.76,69.93 arc(102.85,70.14) 103.06,70.23 103.38,70.23 arc(103.6,70.32) 103.68,70.53 arc(103.6,70.74) 103.38,70.83 103.06,70.83 arc(102.85,70.92) 102.76,71.13 arc(102.85,71.34) 103.06,71.43 103.38,71.43 arc(103.6,71.52) 103.68,71.73 103.68,96.89 103.03,97.54 101.03,97.54 100.44,98.13 100.44,105.21 101.46,106.24 112.63,106.24 J6.58
CH_CLT: length 56.9
  Top w0.2: v1(99.13,77.91) 100.69,77.91 100.9,77.7 R45.2 100.96,76 R46.1 100.93,74.61 99.03,72.7 C68.1
  In2.Cu w0.35: J6.63 78.78,110.52 77.48,109.23 77.48,98.66 79.03,97.11 90.36,97.11 94.98,92.49 94.98,82.04 99.12,77.91 v1(99.13,77.91)
CH_IAT: length 80.4
  Top w0.2: C66.1 79.24,64.85 81.1,66.72 R54.1 81.1,68.18 R75.2
  Top w0.35: R75.2 82.71,69.92 v1(82.71,70.54)
  In2.Cu w0.35: v1(82.71,70.54) 94.1,81.93 94.1,92.13 90,96.23 78.67,96.23 76.6,98.3 76.6,111 77.9,112.3 87.21,112.3 J6.67
CH_MAP: length 90.4
  Top w0.2: R77.2 74.5,68.13 R74.1 74.5,66.72 72.63,64.85 C30.1
  Top w0.35: R77.2 74.63,68.39 v1(74.63,69.83)
  In2.Cu w0.35: v1(74.63,69.83) 76.54,71.74 83.28,71.74 93.66,82.12 93.66,91.95 89.82,95.79 78.48,95.79 76.16,98.12 76.16,111.18 77.71,112.74 89.31,112.74 J6.68
CH_O2: length 89.2
  Top w0.2: R78.2 94.3,66.22 92.9,64.83 C1.1
  Top w0.35: R78.2 90.53,72.21 90.53,76.36 88.58,78.31 v1(87.39,78.31)
  In2.Cu w0.35: J6.69 91.37,113.21 77.57,113.21 75.65,111.29 75.65,98.01 78.3,95.35 89.64,95.35 93.22,91.77 93.22,82.3 89.24,78.31 v1(87.39,78.31)
CH_TPS: length 58.5
  Top w0.2: R76.2 94.3,74.61 92.39,72.7 C70.1
  Top w0.3: v1(94.57,77.15) 94.3,76.87 R76.2
  In2.Cu w0.35: J6.64 80.03,111.86 78.08,111.86 77.04,110.82 77.04,98.48 78.85,96.67 90.18,96.67 94.54,92.31 94.54,77.18 v1(94.57,77.15)
